# KiCad board coleco_original.kicad_pcb
title: Reverse Engineer Colecovision; date: 2023-03-14; rev: DEV; company: sparkletron; note: Jay Convertino; note: MIT LICENSE
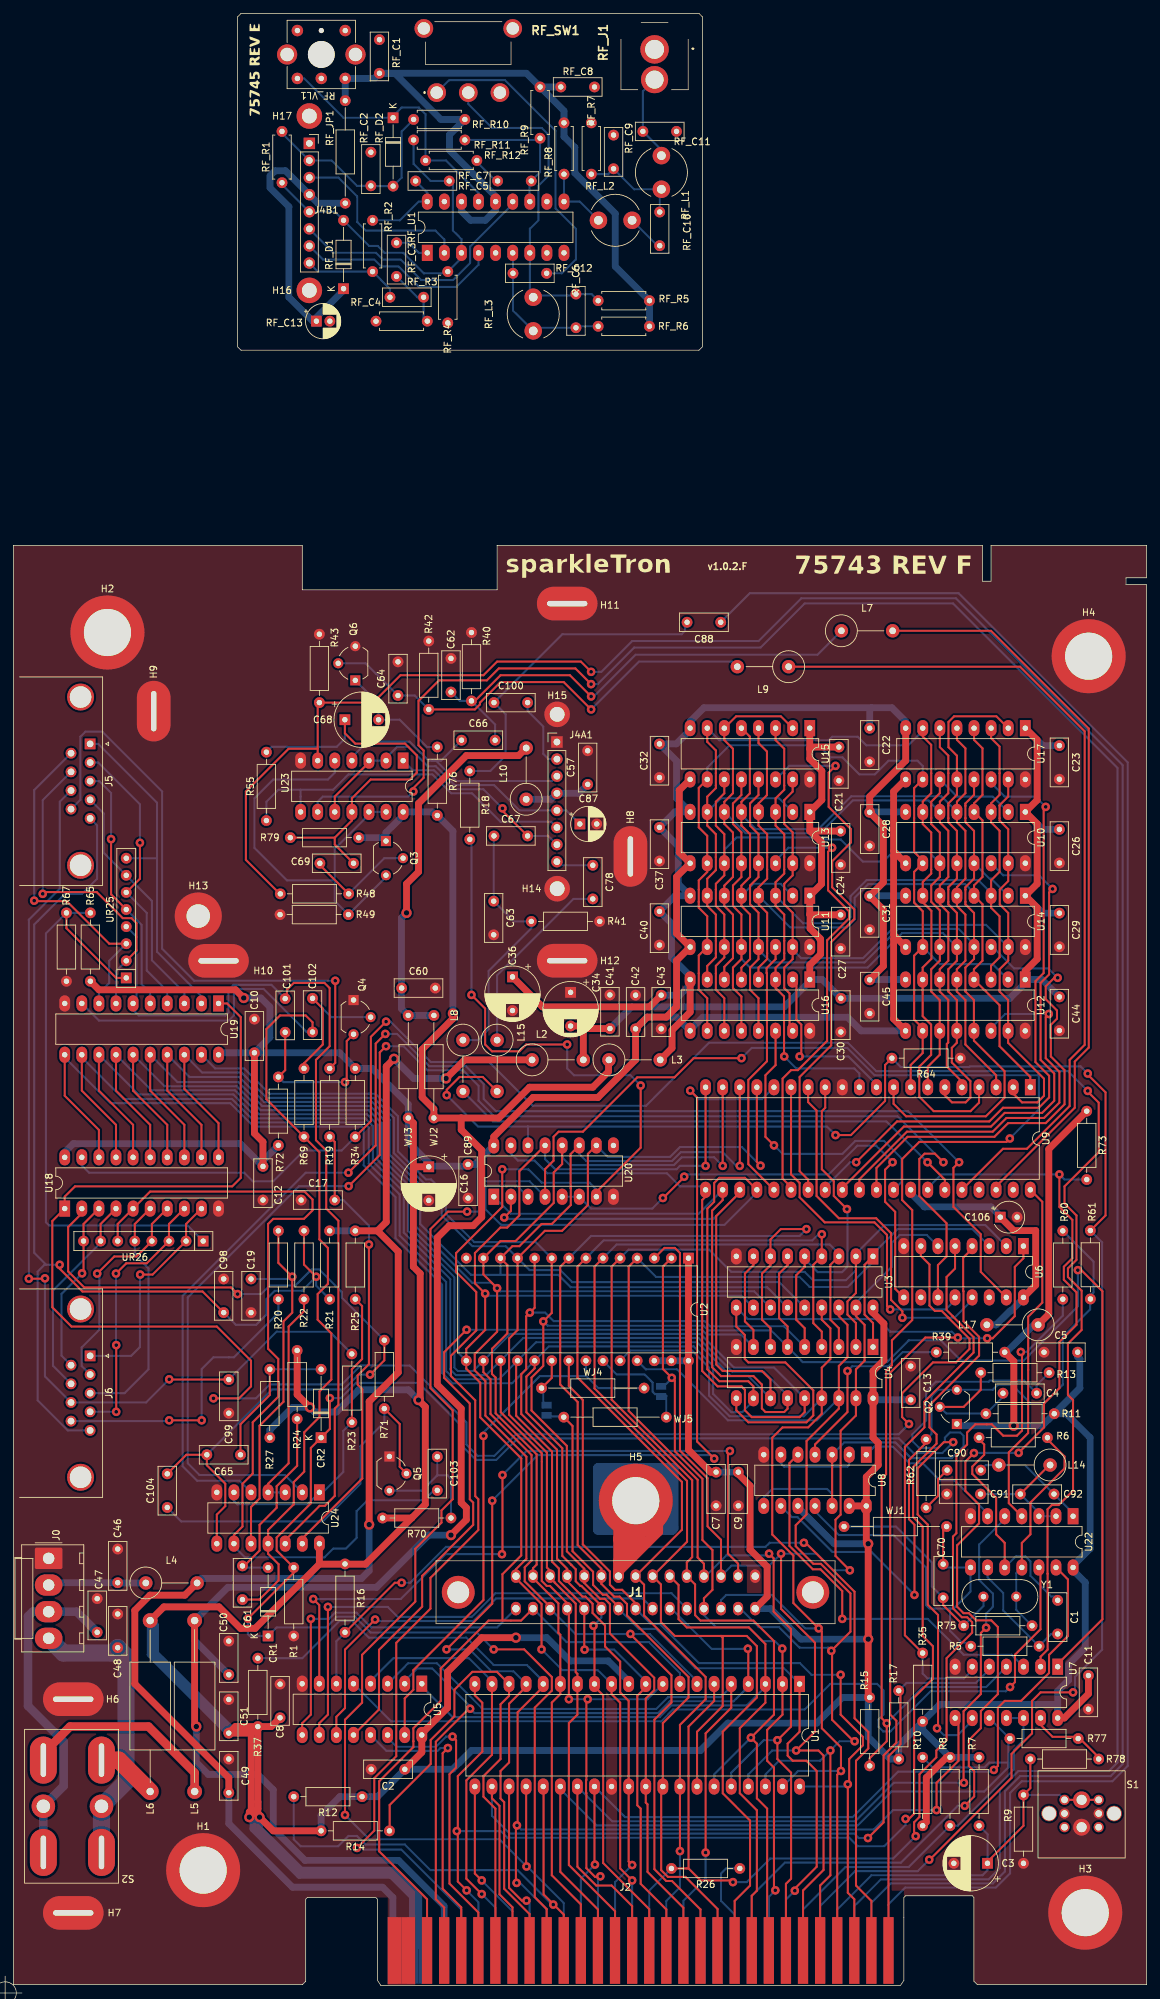
[diagram p0: board, top side]
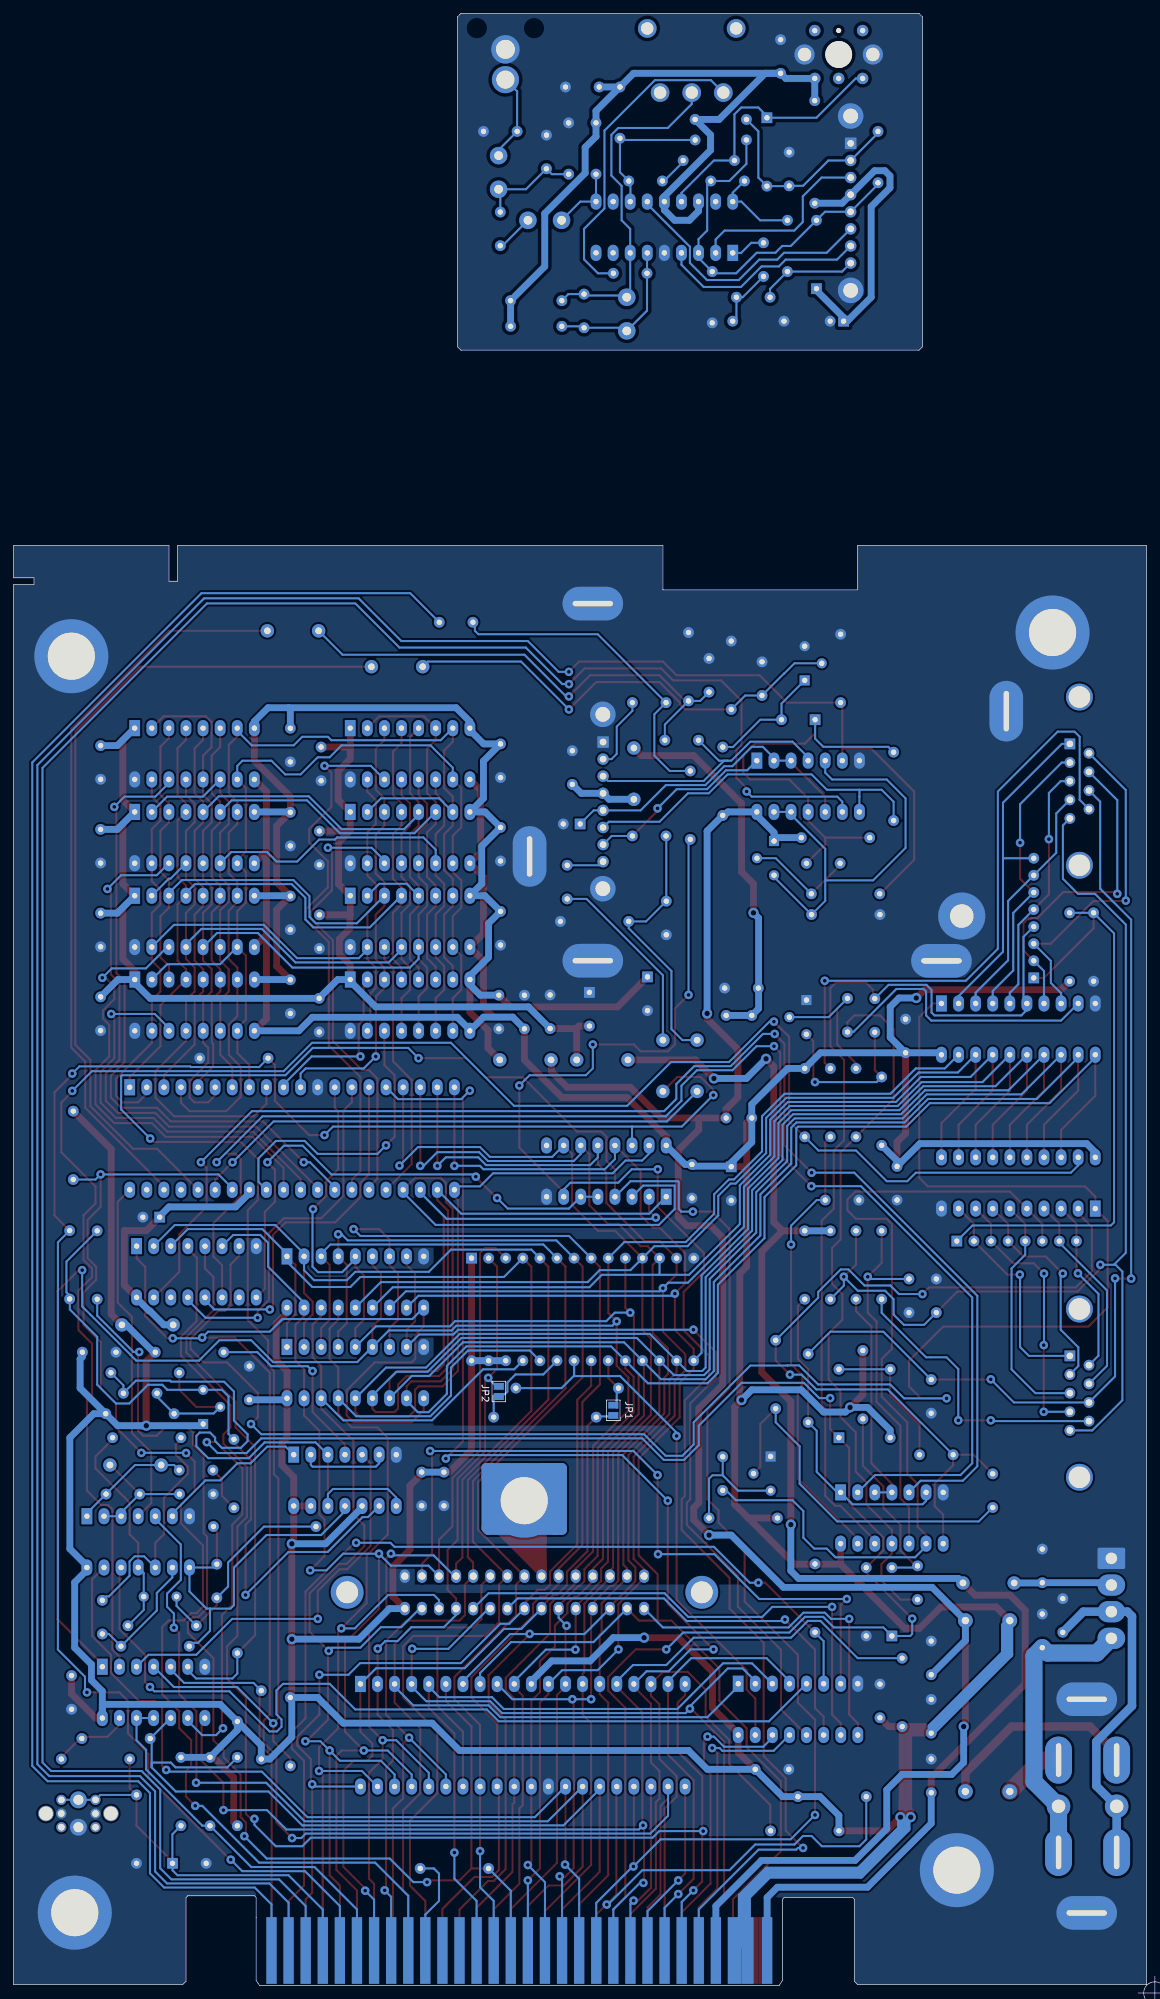
[diagram p1: board, bottom side, seen from below]

Outline 168.4 x 293.02 mm; copper layers: Top, Bottom. Coordinates in mm from the lower left corner of the outline.
Outline path: 54.1,10.16 54.1,12.83 53.85,13.08 43.69,13.08 43.43,12.83 43.43,0.64 42.93,0.13 0,0.13 0,214 42.93,214 42.93,207.39 71.88,207.39 71.88,214 144.02,214 144.02,208.66 145.29,208.66 145.29,214 168.4,214 168.4,209.17 165.35,209.17 165.35,208.15 168.4,208.15 168.4,0.13 143.26,0.13 142.75,0.64 142.75,13.08 142.49,13.34 132.59,13.34 132.33,13.08 132.33,10.16 ; 33.31,243.49 33.31,292.52 33.82,293.02 101.89,293.02 102.4,292.52 102.4,243.49 101.89,242.99 33.82,242.99 33.31,243.49
Stack: Top 0.035mm / dielectric 1.51mm FR4 er 4.5 / Bottom 0.035mm

## Placement (name value [footprint] x y rotation side)
C1  10nF  [C_Disc_D7.0mm_W2.5mm_P5.00mm]  155.19 57.24 270 top
C2  100nF  [C_Disc_D7.0mm_W2.5mm_P5.00mm]  58.17 32.13 180 top
C3  10uF  [CP_Radial_D8.0mm_P5.00mm]  144.76 18.16 180 top
C4  68pF  [C_Disc_D7.0mm_W2.5mm_P5.00mm]  147.07 88.01 0 top
C5  100nF  [C_Disc_D7.0mm_W2.5mm_P5.00mm]  153.16 94.11 0 top
C7  100nF  [C_Disc_D7.0mm_W2.5mm_P5.00mm]  104.43 76.29 270 top
C8  100nF  [C_Disc_D7.0mm_W2.5mm_P5.00mm]  39.62 44.79 270 top
C9  100nF  [C_Disc_D7.0mm_W2.5mm_P5.00mm]  107.73 76.29 270 top
C10  100nF  [C_Disc_D7.0mm_W2.5mm_P5.00mm]  35.81 138.6 90 top
C11  100nF  [C_Disc_D7.0mm_W2.5mm_P5.00mm]  159.77 41.06 90 top
C12  100nF  [C_Disc_D7.0mm_W2.5mm_P5.00mm]  37.08 121.71 270 top
C13  100nF  [C_Disc_D7.0mm_W2.5mm_P5.00mm]  133.35 92.04 270 top
C16  10uF  [CP_Radial_D8.0mm_P5.00mm]  61.72 121.66 270 top
C17  100nF  [C_Disc_D7.0mm_W2.5mm_P5.00mm]  42.75 116.71 0 top
C19  100nF  [C_Disc_D7.0mm_W2.5mm_P5.00mm]  35.31 99.99 90 top
C21  100nF  [C_Disc_D7.0mm_W2.5mm_P5.00mm]  122.68 184.02 270 top
C22  100nF  [C_Disc_D7.0mm_W2.5mm_P5.00mm]  127.25 186.82 270 top
C23  100nF  [C_Disc_D7.0mm_W2.5mm_P5.00mm]  155.45 184.24 270 top
C24  100nF  [C_Disc_D7.0mm_W2.5mm_P5.00mm]  122.94 171.54 270 top
C26  100nF  [C_Disc_D7.0mm_W2.5mm_P5.00mm]  155.45 171.79 270 top
C27  100nF  [C_Disc_D7.0mm_W2.5mm_P5.00mm]  122.94 159.09 270 top
C28  100nF  [C_Disc_D7.0mm_W2.5mm_P5.00mm]  127.25 174.33 270 top
C29  100nF  [C_Disc_D7.0mm_W2.5mm_P5.00mm]  155.45 159.35 270 top
C30  100nF  [C_Disc_D7.0mm_W2.5mm_P5.00mm]  122.97 146.69 270 top
C31  100nF  [C_Disc_D7.0mm_W2.5mm_P5.00mm]  127.25 161.89 270 top
C32  100nF  [C_Disc_D7.0mm_W2.5mm_P5.00mm]  96.01 184.49 270 top
C34  10uF  [CP_Radial_D8.0mm_P5.00mm]  82.8 147.57 270 top
C36  10uF  [CP_Radial_D8.0mm_P5.00mm]  74.17 149.87 270 top
C37  100nF  [C_Disc_D7.0mm_W2.5mm_P5.00mm]  96.01 172.09 270 top
C40  100nF  [C_Disc_D7.0mm_W2.5mm_P5.00mm]  96.01 159.6 270 top
C41  100nF  [C_Disc_D7.0mm_W2.5mm_P5.00mm]  88.65 147.19 270 top
C42  100nF  [C_Disc_D7.0mm_W2.5mm_P5.00mm]  92.46 142.15 90 top
C43  100nF  [C_Disc_D7.0mm_W2.5mm_P5.00mm]  96.27 147.15 270 top
C44  100nF  [C_Disc_D7.0mm_W2.5mm_P5.00mm]  155.45 146.9 270 top
C45  100nF  [C_Disc_D7.0mm_W2.5mm_P5.00mm]  127.25 149.44 270 top
C46  100nF  [C_Disc_D7.0mm_W2.5mm_P5.00mm]  15.49 64.86 270 top
C47  100nF  [C_Disc_D7.0mm_W2.5mm_P5.00mm]  12.45 57.49 270 top
C48  100nF  [C_Disc_D7.0mm_W2.5mm_P5.00mm]  15.49 55.21 270 top
C49  100nF  [C_Disc_D7.0mm_W2.5mm_P5.00mm]  32 33.66 270 top
C50  100nF  [C_Disc_D7.0mm_W2.5mm_P5.00mm]  32 51.18 270 top
C51  100nF  [C_Disc_D7.0mm_W2.5mm_P5.00mm]  32 37.51 90 top
C57  10nF  [C_Disc_D7.0mm_W2.5mm_P5.00mm]  85.34 178.48 90 top
C60  47nF  [C_Disc_D7.0mm_W2.5mm_P5.00mm]  57.7 148.21 0 top
C61  10nF  [C_Disc_D7.0mm_W2.5mm_P5.00mm]  34.04 62.35 270 top
C62  470pF  [C_Disc_D7.0mm_W2.5mm_P5.00mm]  65.02 192.19 90 top
C63  470pF  [C_Disc_D7.0mm_W2.5mm_P5.00mm]  71.37 161.12 270 top
C64  120pF  [C_Disc_D7.0mm_W2.5mm_P5.00mm]  57.15 191.68 90 top
C65  10nF  [C_Disc_D7.0mm_W2.5mm_P5.00mm]  33.74 78.87 180 top
C66  100nF  [C_Disc_D7.0mm_W2.5mm_P5.00mm]  66.59 185.04 0 top
C67  100nF  [C_Disc_D7.0mm_W2.5mm_P5.00mm]  71.41 170.82 0 top
C68  10uF  [CP_Radial_D8.0mm_P5.00mm]  49.26 188.09 0 top
C69  47nF  [C_Disc_D7.0mm_W2.5mm_P5.00mm]  45.54 166.75 0 top
C70  68pF  [C_Disc_D7.0mm_W2.5mm_P5.00mm]  138.18 62.61 270 top
C78  10nF  [C_Disc_D7.0mm_W2.5mm_P5.00mm]  86.11 166.46 270 top
C87  10uF  [CP_Radial_D5.0mm_P2.50mm]  84.18 172.59 0 top
C88  100nF  [C_Disc_D7.0mm_W2.5mm_P5.00mm]  105.12 202.57 180 top
C89  100nF  [C_Disc_D7.0mm_W2.5mm_P5.00mm]  67.56 122.01 270 top
C90  120pF  [C_Disc_D7.0mm_W2.5mm_P5.00mm]  138.76 76.58 0 top
C91  150pF_OPT  [C_Disc_D7.0mm_W2.5mm_P5.00mm]  138.72 73.03 0 top
C92  82pF  [C_Disc_D7.0mm_W2.5mm_P5.00mm]  149.65 73.03 0 top
C98  10nF  [C_Disc_D7.0mm_W2.5mm_P5.00mm]  31.24 104.99 270 top
C99  10nF  [C_Disc_D7.0mm_W2.5mm_P5.00mm]  32 90.04 270 top
C100  100nF  [C_Disc_D7.0mm_W2.5mm_P5.00mm]  71.41 190.63 0 top
C101  47nF  [C_Disc_D7.0mm_W2.5mm_P5.00mm]  40.39 141.65 90 top
C102  100pF  [C_Disc_D7.0mm_W2.5mm_P5.00mm]  44.45 146.69 270 top
C103  47nF  [C_Disc_D7.0mm_W2.5mm_P5.00mm]  62.99 78.57 270 top
C104  100pF  [C_Disc_D7.0mm_W2.5mm_P5.00mm]  22.86 71.03 90 top
C106  10uF  [CP_Radial_Tantal_D4.5mm_P2.50mm]  146.67 114.17 0 top
CR1  1N914  [D_DO-35_SOD27_P10.16mm_Horizontal]  37.85 51.94 90 top
CR2  1N914  [D_DO-35_SOD27_P10.16mm_Horizontal]  45.72 81.41 90 top
H1  MountingHole_Pad  [MountingHole_7mm_M7]  28.19 17.15 0 top
H2  MountingHole_Pad  [MountingHole_7mm_M7]  13.97 201.04 0 top
H3  MountingHole_Pad  [MountingHole_7mm_M7]  159.29 10.83 0 top
H4  MountingHole_Pad  [MountingHole_7mm_M7]  159.8 197.52 0 top
H5  MountingHole_Pad  [MountingHole_7mm_M7]  92.49 72.04 0 top
H6  MountingHole_Pad  [SWITCH_MOUNT]  8.89 47.88 0 top
H7  MountingHole_Pad  [SWITCH_MOUNT]  8.89 16.13 0 top
H8  MountingHole_Pad  [RF_MOUNT]  86.36 167.77 90 top
H9  MountingHole_Pad  [RF_MOUNT]  15.51 189.36 90 top
H10  MountingHole_Pad  [RF_MOUNT]  30.48 157.59 0 top
H11  MountingHole_Pad  [RF_MOUNT]  82.3 210.68 0 top
H12  MountingHole_Pad  [RF_MOUNT]  82.3 157.61 0 top
H13  MountingHole_Pad  [MountingHole_3.5mm_Pad]  27.47 158.91 0 top
H14  MountingHole_Pad  [MountingHole_2.2mm_M2_DIN965_Pad]  80.81 162.98 0 top
H15  MountingHole_Pad  [MountingHole_2.2mm_M2_DIN965_Pad]  80.81 188.88 0 top
H16  MountingHole_Pad  [MountingHole_2.2mm_M2_DIN965_Pad]  43.98 251.88 0 top
H17  MountingHole_Pad  [MountingHole_2.2mm_M2_DIN965_Pad]  43.98 277.78 0 top
J0  Conn_01x04  [Molex_KK-396_A-41791-0004_1x04_P3.96mm_Vertical]  5.23 63.47 270 top
J1  Cartridge Port  [55308412_coleco]  74.68 56.01 180 top
J2  Expansion Port  [Colecovision_Expansion]  90.68 3.3 0 top
J4A1  Conn_01x08  [PinHeader_1x08_P2.54mm_Vertical]  80.77 184.77 0 top
J4B1  Conn_01x08  [PinSocket_1x08_P2.54mm_Vertical]  43.98 273.72 0 top
J5  Player 1  [DSUB-9_Male_Horizontal_P2.77x2.84mm_EdgePinOffset7.70mm_Housed_MountingHolesOffset9.12mm]  11.39 184.49 270 top
J6  Player 2  [DSUB-9_Male_Horizontal_P2.77x2.84mm_EdgePinOffset7.70mm_Housed_MountingHolesOffset9.12mm]  11.39 93.56 270 top
JP1  SolderJumper_2_Open  [SolderJumper-2_P1.3mm_Open_Pad1.0x1.5mm]  79.25 85.47 270 bottom
JP2  SolderJumper_2_Open  [SolderJumper-2_P1.3mm_Open_Pad1.0x1.5mm]  96.27 88.27 270 bottom
L2  10uH  [L_Axial_L11.0mm_D4.5mm_P7.62mm_Vertical_Fastron_MECC]  77.07 137.54 0 top
L3  10uH  [L_Axial_L11.0mm_D4.5mm_P7.62mm_Vertical_Fastron_MECC]  88.5 137.54 0 top
L4  10uH  [L_Axial_L11.0mm_D4.5mm_P7.62mm_Vertical_Fastron_MECC]  19.67 59.82 0 top
L5  12uH  [L_Axial_L12.8mm_D5.8mm_P25.40mm_Horizontal_Fastron_HBCC]  26.92 28.83 90 top
L6  12uH  [L_Axial_L12.8mm_D5.8mm_P25.40mm_Horizontal_Fastron_HBCC]  20.32 28.83 90 top
L7  120uH  [L_Axial_L11.0mm_D4.5mm_P7.62mm_Vertical_Fastron_MECC]  123.05 201.3 0 top
L8  120uH  [L_Axial_L11.0mm_D4.5mm_P7.62mm_Vertical_Fastron_MECC]  66.8 140.48 270 top
L9  42uH  [L_Axial_L11.0mm_D4.5mm_P7.62mm_Vertical_Fastron_MECC]  115.2 195.96 180 top
L10  10uH  [L_Axial_L11.0mm_D4.5mm_P7.62mm_Vertical_Fastron_MECC]  76.2 176.26 90 top
L14  2.7uH  [L_Axial_L11.0mm_D4.5mm_P7.62mm_Vertical_Fastron_MECC]  154.07 77.34 180 top
L15  42uH  [L_Axial_L11.0mm_D4.5mm_P7.62mm_Vertical_Fastron_MECC]  71.88 140.48 270 top
L17  42uH  [L_Axial_L11.0mm_D4.5mm_P7.62mm_Vertical_Fastron_MECC]  152.29 98.17 180 top
Q2  2N3906  [TO-92_Wide]  140.22 83.44 90 top
Q3  2N3906  [TO-92_Wide]  55.36 170.05 270 top
Q4  2N3904  [TO-92_Wide]  50.55 146.43 270 top
Q5  2N3904  [TO-92_Wide]  55.87 78.61 270 top
Q6  2N3906  [TO-92_Wide]  50.81 193.93 90 top
R1  1K5  [R_Axial_DIN0207_L6.3mm_D2.5mm_P10.16mm_Horizontal]  41.66 51.94 90 top
R5  820R  [R_Axial_DIN0207_L6.3mm_D2.5mm_P10.16mm_Horizontal]  142.27 50.42 0 top
R6  820R  [R_Axial_DIN0207_L6.3mm_D2.5mm_P10.16mm_Horizontal]  143.51 81.41 0 top
R7  91K  [R_Axial_DIN0207_L6.3mm_D2.5mm_P10.16mm_Horizontal]  143.51 33.91 270 top
R8  3K3  [R_Axial_DIN0207_L6.3mm_D2.5mm_P10.16mm_Horizontal]  139.19 33.91 270 top
R9  1M  [R_Axial_DIN0207_L6.3mm_D2.5mm_P10.16mm_Horizontal]  150.11 28.32 270 top
R10  3K3  [R_Axial_DIN0207_L6.3mm_D2.5mm_P10.16mm_Horizontal]  135.13 23.75 90 top
R11  180R  [R_Axial_DIN0207_L6.3mm_D2.5mm_P10.16mm_Horizontal]  144.53 84.96 0 top
R12  3K3  [R_Axial_DIN0207_L6.3mm_D2.5mm_P10.16mm_Horizontal]  51.82 28.07 180 top
R13  1K1  [R_Axial_DIN0207_L6.3mm_D2.5mm_P10.16mm_Horizontal]  143.76 91.06 0 top
R14  3K3  [R_Axial_DIN0207_L6.3mm_D2.5mm_P10.16mm_Horizontal]  55.88 22.99 180 top
R15  2K7  [R_Axial_DIN0207_L6.3mm_D2.5mm_P10.16mm_Horizontal]  127.25 42.8 270 top
R16  3K3  [R_Axial_DIN0207_L6.3mm_D2.5mm_P10.16mm_Horizontal]  49.28 62.65 270 top
R17  3K3  [R_Axial_DIN0207_L6.3mm_D2.5mm_P10.16mm_Horizontal]  131.57 33.66 90 top
R18  1K8  [R_Axial_DIN0207_L6.3mm_D2.5mm_P10.16mm_Horizontal]  67.82 180.47 270 top
R19  1K8  [R_Axial_DIN0207_L6.3mm_D2.5mm_P10.16mm_Horizontal]  46.99 136.27 270 top
R20  1K8  [R_Axial_DIN0207_L6.3mm_D2.5mm_P10.16mm_Horizontal]  39.37 101.98 90 top
R21  1K5  [R_Axial_DIN0207_L6.3mm_D2.5mm_P10.16mm_Horizontal]  46.99 101.98 90 top
R22  120R  [R_Axial_DIN0207_L6.3mm_D2.5mm_P10.16mm_Horizontal]  43.18 112.14 270 top
R23  120R  [R_Axial_DIN0207_L6.3mm_D2.5mm_P10.16mm_Horizontal]  50.29 93.85 270 top
R24  100K  [R_Axial_DIN0207_L6.3mm_D2.5mm_P10.16mm_Horizontal]  42.16 94.36 270 top
R25  1K5  [R_Axial_DIN0207_L6.3mm_D2.5mm_P10.16mm_Horizontal]  50.8 101.98 90 top
R26  470R  [R_Axial_DIN0207_L6.3mm_D2.5mm_P10.16mm_Horizontal]  107.95 17.4 180 top
R27  100K  [R_Axial_DIN0207_L6.3mm_D2.5mm_P10.16mm_Horizontal]  38.1 81.41 90 top
R34  3K3  [R_Axial_DIN0207_L6.3mm_D2.5mm_P10.16mm_Horizontal]  50.8 126.11 90 top
R35  3K3  [R_Axial_DIN0207_L6.3mm_D2.5mm_P10.16mm_Horizontal]  135.13 39.24 90 top
R37  3K3  [R_Axial_DIN0207_L6.3mm_D2.5mm_P10.16mm_Horizontal]  36.32 38.48 90 top
R39  1K  [R_Axial_DIN0207_L6.3mm_D2.5mm_P10.16mm_Horizontal]  137.16 94.11 0 top
R40  390R  [R_Axial_DIN0207_L6.3mm_D2.5mm_P10.16mm_Horizontal]  68.07 190.88 90 top
R41  390R  [R_Axial_DIN0207_L6.3mm_D2.5mm_P10.16mm_Horizontal]  76.96 158.12 0 top
R42  390R  [R_Axial_DIN0207_L6.3mm_D2.5mm_P10.16mm_Horizontal]  61.72 189.61 90 top
R43  10K  [R_Axial_DIN0207_L6.3mm_D2.5mm_P10.16mm_Horizontal]  45.47 200.79 270 top
R48  470K  [R_Axial_DIN0207_L6.3mm_D2.5mm_P10.16mm_Horizontal]  39.66 162.21 0 top
R49  10K  [R_Axial_DIN0207_L6.3mm_D2.5mm_P10.16mm_Horizontal]  49.78 159.13 180 top
R55  1K8  [R_Axial_DIN0207_L6.3mm_D2.5mm_P10.16mm_Horizontal]  37.59 173.1 90 top
R60  47R  [R_Axial_DIN0207_L6.3mm_D2.5mm_P10.16mm_Horizontal]  155.96 101.98 90 top
R61  1K  [R_Axial_DIN0207_L6.3mm_D2.5mm_P10.16mm_Horizontal]  160.05 112.18 270 top
R62  270R  [R_Axial_DIN0207_L6.3mm_D2.5mm_P10.16mm_Horizontal]  135.64 81.15 270 top
R64  1K  [R_Axial_DIN0207_L6.3mm_D2.5mm_P10.16mm_Horizontal]  140.72 137.8 180 top
R65  270R  [R_Axial_DIN0207_L6.3mm_D2.5mm_P10.16mm_Horizontal]  11.43 149.23 90 top
R67  270R  [R_Axial_DIN0207_L6.3mm_D2.5mm_P10.16mm_Horizontal]  7.87 149.23 90 top
R69  22K  [R_Axial_DIN0207_L6.3mm_D2.5mm_P10.16mm_Horizontal]  43.18 126.11 90 top
R70  10K  [R_Axial_DIN0207_L6.3mm_D2.5mm_P10.16mm_Horizontal]  65.02 69.47 180 top
R71  22K  [R_Axial_DIN0207_L6.3mm_D2.5mm_P10.16mm_Horizontal]  55.12 95.89 270 top
R72  10K  [R_Axial_DIN0207_L6.3mm_D2.5mm_P10.16mm_Horizontal]  39.37 135 270 top
R73  4K7  [R_Axial_DIN0207_L6.3mm_D2.5mm_P10.16mm_Horizontal]  159.51 129.92 270 top
R75  DNP  [R_Axial_DIN0207_L6.3mm_D2.5mm_P10.16mm_Horizontal]  151.38 53.47 180 top
R76  1K8  [R_Axial_DIN0207_L6.3mm_D2.5mm_P10.16mm_Horizontal]  62.99 184.02 270 top
R77  22K  [R_Axial_DIN0207_L6.3mm_D2.5mm_P10.16mm_Horizontal]  158.24 36.7 180 top
R78  1K  [R_Axial_DIN0207_L6.3mm_D2.5mm_P10.16mm_Horizontal]  161.29 33.66 180 top
R79  1K5_OPT  [R_Axial_DIN0207_L6.3mm_D2.5mm_P10.16mm_Horizontal]  51.31 170.56 180 top
RF_C1  1nF  [C_Disc_D7.0mm_W2.5mm_P5.00mm]  54.39 284.13 90 top
RF_C2  10nF  [C_Disc_D7.0mm_W2.5mm_P5.00mm]  53.12 272.41 270 top
RF_C3  10nF  [C_Disc_D7.0mm_W2.5mm_P5.00mm]  56.93 258.95 270 top
RF_C4  47pF  [C_Disc_D7.0mm_W2.5mm_P5.00mm]  60.95 250.86 180 top
RF_C5  47pF  [C_Disc_D7.0mm_W2.5mm_P5.00mm]  59.76 268.13 0 top
RF_C6  82pF  [C_Disc_D7.0mm_W2.5mm_P5.00mm]  83.6 251.33 270 top
RF_C7  47pF  [C_Disc_D7.0mm_W2.5mm_P5.00mm]  71.96 268.13 0 top
RF_C8  10nF  [C_Disc_D7.0mm_W2.5mm_P5.00mm]  81.35 282.1 0 top
RF_C9  82pF  [C_Disc_D7.0mm_W2.5mm_P5.00mm]  89.19 269.95 90 top
RF_C10  10pF  [C_Disc_D7.0mm_W2.5mm_P5.00mm]  96.05 258.52 90 top
RF_C11  270pF  [C_Disc_D7.0mm_W2.5mm_P5.00mm]  93.55 275.5 0 top
RF_C12  20pF  [C_Disc_D7.0mm_W2.5mm_P5.00mm]  79.24 254.42 180 top
RF_C13  10uF  [CP_Radial_D5.0mm_P2.00mm]  45.02 247.3 0 top
RF_D1  1N753  [D_DO-35_SOD27_P10.16mm_Horizontal]  49.06 252.13 90 top
RF_D2  BB329A  [D_DO-35_SOD27_P10.16mm_Horizontal]  56.42 277.53 270 top
RF_J1  RF_OUT  [RCJ041_copy]  95.28 287.69 90 top
RF_JP1  Jumper_2_Bridged  [R_Axial_DIN0207_L6.3mm_D2.5mm_P15.24mm_Horizontal]  49.31 280.07 270 top
RF_L1  6 Turn  [L_Radial_D7.5mm_P5.00mm_Fastron_07P]  96.3 266.9 90 top
RF_L2  14 Turn  [L_Radial_D7.5mm_P5.00mm_Fastron_07P]  86.94 262.29 0 top
RF_L3  4 Turn  [L_Radial_D7.5mm_P5.00mm_Fastron_07P]  77.25 250.86 270 top
RF_R1  39K  [R_Axial_DIN0207_L6.3mm_D2.5mm_P7.62mm_Horizontal]  39.91 267.88 90 top
RF_R2  1K  [R_Axial_DIN0207_L6.3mm_D2.5mm_P7.62mm_Horizontal]  53.37 262.29 270 top
RF_R3  1K  [R_Axial_DIN0207_L6.3mm_D2.5mm_P7.62mm_Horizontal]  53.88 247.3 0 top
RF_R4  1K  [R_Axial_DIN0207_L6.3mm_D2.5mm_P7.62mm_Horizontal]  64.55 247.05 90 top
RF_R5  240R  [R_Axial_DIN0207_L6.3mm_D2.5mm_P7.62mm_Horizontal]  94.52 250.35 180 top
RF_R6  240R  [R_Axial_DIN0207_L6.3mm_D2.5mm_P7.62mm_Horizontal]  86.9 246.54 0 top
RF_R7  47R  [R_Axial_DIN0207_L6.3mm_D2.5mm_P7.62mm_Horizontal]  85.89 269.15 90 top
RF_R8  82R  [R_Axial_DIN0207_L6.3mm_D2.5mm_P7.62mm_Horizontal]  81.82 269.15 90 top
RF_R9  8K2  [R_Axial_DIN0207_L6.3mm_D2.5mm_P7.62mm_Horizontal]  78.27 282.1 270 top
RF_R10  39K  [R_Axial_DIN0207_L6.3mm_D2.5mm_P7.62mm_Horizontal]  67.09 277.28 180 top
RF_R11  4K7  [R_Axial_DIN0207_L6.3mm_D2.5mm_P7.62mm_Horizontal]  59.47 274.23 0 top
RF_R12  15K  [R_Axial_DIN0207_L6.3mm_D2.5mm_P7.62mm_Horizontal]  68.87 271.18 180 top
RF_SW1  SW_SPDT  [1101M2S3ABE2]  62.9 281.27 180 top
RF_U1  LM1889  [DIP-18_W7.62mm_LongPads]  61.5 257.45 90 top
RF_VL1  Sumida_M41_Tank  [Sumida_73279]  45.75 286.93 180 top
S1  SW_SPST  [Coleco_RST]  158.75 31.91 0 top
S2  SW_DPDT_x2  [DPDT_GF-626-0061]  8.76 15.21 180 top
S3  board_rev  [board_revision]  129.29 211.2 0 top
S4  -  [sparkletron]  85.34 210.95 0 top
S5  rf_board_rev  [rf_board_revision]  35.85 284.64 90 top
U1  Z80CPU  [DIP-40_W15.24mm_LongPads]  116.84 44.81 270 top
U2  27C256  [DIP-28_W15.24mm]  100.32 108.08 270 top
U3  SCM2114AL  [DIP-18_W7.62mm_LongPads]  127.75 108.35 270 top
U4  SCM2114AL  [DIP-18_W7.62mm_LongPads]  127.75 94.88 270 top
U5  74LS138  [DIP-16_W7.62mm_LongPads]  60.69 44.85 270 top
U6  74LS138  [DIP-16_W7.62mm_LongPads]  150.1 109.87 270 top
U7  74LS05  [DIP-14_W7.62mm_LongPads]  155.19 47.37 270 top
U8  74LS74  [DIP-14_W7.62mm_LongPads]  126.75 78.88 270 top
U9  TMS9928A  [DIP-40_W15.24mm_LongPads]  151.12 133.48 270 top
U10  MK4116P  [DIP-16_W7.62mm_LongPads]  150.38 174.38 270 top
U11  MK4116P  [DIP-16_W7.62mm_LongPads]  118.35 161.93 270 top
U12  MK4116P  [DIP-16_W7.62mm_LongPads]  150.37 149.48 270 top
U13  MK4116P  [DIP-16_W7.62mm_LongPads]  118.35 174.38 270 top
U14  MK4116P  [DIP-16_W7.62mm_LongPads]  150.38 161.93 270 top
U15  MK4116P  [DIP-16_W7.62mm_LongPads]  118.35 186.83 270 top
U16  MK4116P  [DIP-16_W7.62mm_LongPads]  118.35 149.48 270 top
U17  MK4116P  [DIP-16_W7.62mm_LongPads]  150.38 186.83 270 top
U18  74LS541  [DIP-20_W7.62mm_LongPads]  7.62 115.44 90 top
U19  74LS541  [DIP-20_W7.62mm_LongPads]  30.48 145.92 270 top
U20  SN76489AN  [DIP-16_W7.62mm_LongPads]  71.39 117.21 90 top
U22  74LS04  [DIP-14_W7.62mm_LongPads]  157.49 69.74 270 top
U23  4066  [DIP-14_W7.62mm_LongPads]  57.92 182.01 270 top
U24  74LS00  [DIP-14_W7.62mm_LongPads]  45.47 73.28 270 top
UR25  22K  [R_Array_SIP8]  16.76 149.72 90 top
UR26  22K  [R_Array_SIP8]  28.19 110.62 180 top
WJ1  Jumper_2_Open  [R_Axial_DIN0207_L6.3mm_D2.5mm_P15.24mm_Horizontal]  123.44 68.2 0 top
WJ2  Jumper_2_Bridged  [R_Axial_DIN0207_L6.3mm_D2.5mm_P15.24mm_Horizontal]  62.48 128.91 90 top
WJ3  Jumper_2_Open  [R_Axial_DIN0207_L6.3mm_D2.5mm_P15.24mm_Horizontal]  58.67 144.15 270 top
WJ4  Jumper_2_Bridged_32K_ROM  [R_Axial_DIN0207_L6.3mm_D2.5mm_P15.24mm_Horizontal]  78.49 88.77 0 top
WJ5  Jumper_2_Bridged_32K_ROM  [R_Axial_DIN0207_L6.3mm_D2.5mm_P15.24mm_Horizontal]  81.79 84.46 0 top
Y1  7.159090Mhz  [Crystal_HC49-U_Vertical]  149.04 57.79 180 top

## Library data of the parts
C1 C2 C4 C5 C7-C13 C17 C19 C21-C24 C26-C32 C37 C40-C51 C57 C60-C67 C69 C70 C78 C88-C92 C98-C104 RF_C1-RF_C12 = -: Description: Unpolarized capacitor
C3 C16 C34 C36 C68 C87 C106 RF_C13 = -: Description: Polarized capacitor
CR1 CR2 = -: Description: Diode
H1-H17 = -: Description: Mounting Hole with connection
J0 = -: Description: Generic connector, single row, 01x04, script generated (kicad-library-utils/schlib/autogen/connector/)
J1 = -: Description: Generic connector, double row, 02x15, odd/even pin numbering scheme (row 1 odd numbers, row 2 even numbers), script generated (kicad-library-utils/schlib/autogen/connector/)
J2 = -: Description: Generic connector, double row, 02x30, counter clockwise pin numbering scheme (similar to DIP package numbering), script generated (kicad-library-utils/schlib/autogen/connector/)
J4A1 J4B1 = -: Description: Generic connector, single row, 01x08, script generated (kicad-library-utils/schlib/autogen/connector/)
J5 J6 = -: Description: 9-pin male D-SUB connector
JP1 JP2 = -: Description: Solder Jumper, 2-pole, open
L2-L10 L14 L15 L17 RF_L1-RF_L3 = -: Description: Inductor
Q2 Q3 Q6 = -: Description: -0.2A Ic, -40V Vce, Small Signal PNP Transistor, TO-92
Q4 Q5 = -: Description: 0.2A Ic, 40V Vce, Small Signal NPN Transistor, TO-92
R1 R5-R27 R34 R35 R37 R39-R43 R48 R49 R55 R60-R62 R64 R65 R67 R69-R73 R75-R79 RF_R1-RF_R12 = -: Description: Resistor
RF_D1 = -: Description: Zener diode
RF_D2 = -: Description: Variable capacitance diode
RF_J1 = -: Description: Audio Jack, 2 Poles (Mono / TS)
RF_JP1 WJ2 WJ4 WJ5 = -: Description: Jumper, 2-pole, closed/bridged
RF_SW1 = -: Description: Switch, single pole double throw
S1 = -: Description: Single Pole Single Throw (SPST) switch
S2 = -: Description: Switch, dual pole double throw, separate symbols
U1 = -: Description: 8-bit General Purpose Microprocessor, DIP-40
U2 = -: Description: OTP EPROM 256 KiBit
U5 U6 = -: Description: Decoder 3 to 8 active low outputs
U7 = -: Description: Inverter Open Collect
U8 = -: Description: Dual D Flip-flop, Set & Reset
U18 U19 = -: Description: 8-bit Buffer/Line Driver 3-state outputs
U22 = -: Description: Hex Inverter
U23 = -: Description: Quad Analog Switches
U24 = -: Description: quad 2-input NAND gate
UR25 UR26 = -: Description: 7 resistor network, star topology, bussed resistors, small symbol
WJ1 WJ3 = -: Description: Jumper, 2-pole, open
Y1 = -: Description: Two pin crystal
